# KiCad board main.kicad_pcb (continued)
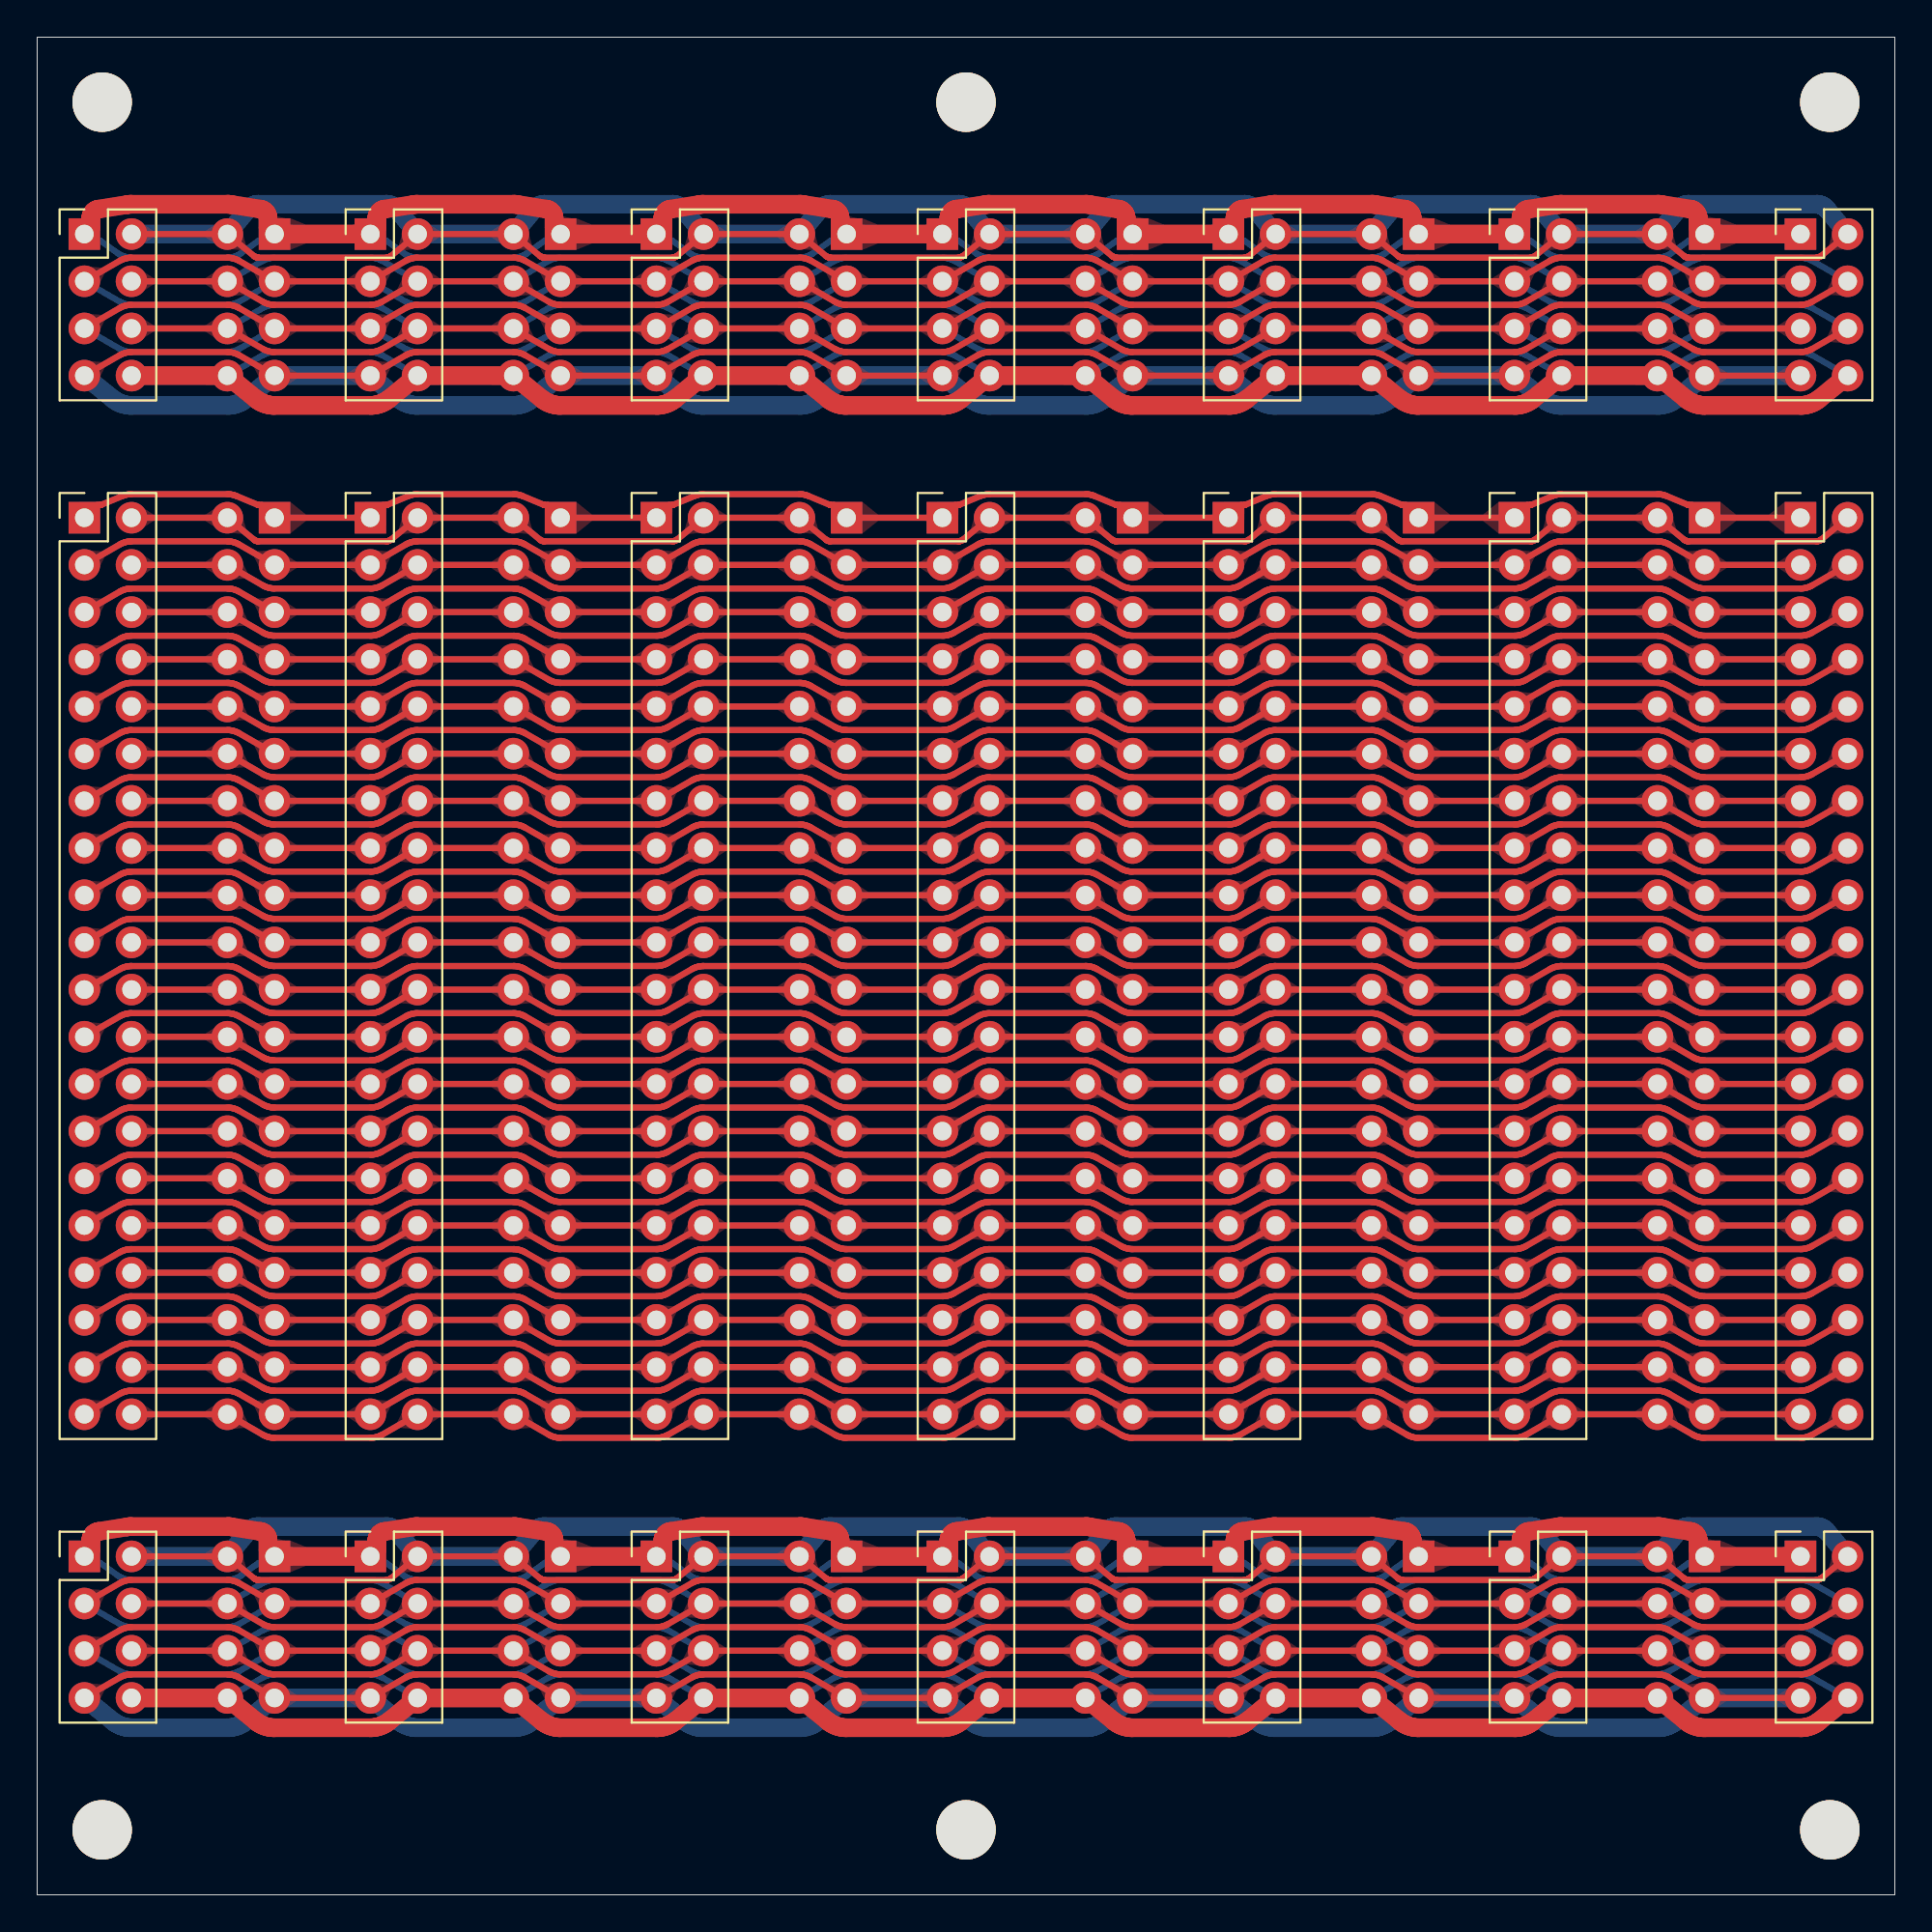
[diagram p0: board, top side]
## Routing (per net, layer and track width the routed paths; a pad name or vN(x,y) marks a point on that pad's centre or on a via; arc(x,y) is an arc through that point) (continued)
  Bottom w0.33: J2.3 4.45,85.76 4.5,85.73 4.55,85.71 4.61,85.68 4.66,85.66 4.72,85.64 4.78,85.63 4.84,85.61 4.9,85.6 4.96,85.6 5.02,85.59 5.08,85.59 10.24,85.59 10.3,85.59 10.36,85.6 10.42,85.6 10.48,85.61 10.54,85.63 10.6,85.64 10.65,85.66 10.71,85.68 10.77,85.71 10.82,85.73 10.87,85.76 J21.3 J6.3 19.84,85.76 19.9,85.73 19.95,85.71 20.01,85.68 20.06,85.66 20.12,85.64 20.18,85.63 20.24,85.61 20.3,85.6 20.36,85.6 20.42,85.59 20.48,85.59 25.63,85.59 25.7,85.59 25.76,85.6 25.82,85.6 25.88,85.61 25.93,85.63 25.99,85.64 26.05,85.66 26.11,85.68 26.16,85.71 26.22,85.73 26.27,85.76 J7.3 J5.3 35.24,85.76 35.29,85.73 35.35,85.71 35.4,85.68 35.46,85.66 35.52,85.64 35.57,85.63 35.63,85.61 35.69,85.6 35.75,85.6 35.81,85.59 35.87,85.59 41.03,85.59 41.09,85.59 41.15,85.6 41.21,85.6 41.27,85.61 41.33,85.63 41.39,85.64 41.45,85.66 41.5,85.68 41.56,85.71 41.61,85.73 41.67,85.76 J4.3 J8.3 50.64,85.76 50.69,85.73 50.74,85.71 50.8,85.68 50.85,85.66 50.91,85.64 50.97,85.63 51.03,85.61 51.09,85.6 51.15,85.6 51.21,85.59 51.27,85.59 56.43,85.59 56.49,85.59 56.55,85.6 56.61,85.6 56.67,85.61 56.73,85.63 56.79,85.64 56.84,85.66 56.9,85.68 56.96,85.71 57.01,85.73 57.06,85.76 J24.3 J22.3 66.03,85.76 66.09,85.73 66.14,85.71 66.2,85.68 66.25,85.66 66.31,85.64 66.37,85.63 66.43,85.61 66.49,85.6 66.55,85.6 66.61,85.59 66.67,85.59 71.83,85.59 71.89,85.59 71.95,85.6 72.01,85.6 72.07,85.61 72.12,85.63 72.18,85.64 72.24,85.66 72.3,85.68 72.35,85.71 72.41,85.73 72.46,85.76 J20.3 J23.3 81.43,85.76 81.48,85.73 81.54,85.71 81.59,85.68 81.65,85.66 81.71,85.64 81.76,85.63 81.82,85.61 81.88,85.6 81.94,85.6 82,85.59 82.06,85.59 87.22,85.59 87.28,85.59 87.34,85.6 87.4,85.6 87.46,85.61 87.52,85.63 87.58,85.64 87.64,85.66 87.69,85.68 87.75,85.71 87.8,85.73 87.86,85.76 J19.3 J37.3
+5V: length 192.5
  Top w0.33: J3.40 J26.40 12.14,24.77 12.2,24.74 12.25,24.72 12.31,24.69 12.36,24.67 12.42,24.65 12.48,24.64 12.54,24.62 12.6,24.61 12.66,24.61 12.72,24.6 12.78,24.6 17.94,24.6 18,24.6 18.06,24.61 18.12,24.61 18.18,24.62 18.24,24.64 18.29,24.65 18.35,24.67 18.41,24.69 18.46,24.72 18.52,24.74 18.57,24.77 J12.40 25.63,25.87 27.54,24.77 27.59,24.74 27.65,24.72 27.7,24.69 27.76,24.67 27.82,24.65 27.88,24.64 27.93,24.62 27.99,24.61 28.05,24.61 28.11,24.6 28.17,24.6 33.33,24.6 33.39,24.6 33.45,24.61 33.51,24.61 33.57,24.62 33.63,24.64 33.69,24.65 33.75,24.67 33.8,24.69 33.86,24.72 33.91,24.74 33.97,24.77 J13.40 J28.40 42.94,24.77 42.99,24.74 43.04,24.72 43.1,24.69 43.16,24.67 43.21,24.65 43.27,24.64 43.33,24.62 43.39,24.61 43.45,24.61 43.51,24.6 43.57,24.6 48.73,24.6 48.79,24.6 48.85,24.61 48.91,24.61 48.97,24.62 49.03,24.64 49.09,24.65 49.15,24.67 49.2,24.69 49.26,24.72 49.31,24.74 49.36,24.77 J11.40 J27.40 58.33,24.77 58.39,24.74 58.44,24.72 58.5,24.69 58.55,24.67 58.61,24.65 58.67,24.64 58.73,24.62 58.79,24.61 58.85,24.61 58.91,24.6 58.97,24.6 64.13,24.6 64.19,24.6 64.25,24.61 64.31,24.61 64.37,24.62 64.43,24.64 64.48,24.65 64.54,24.67 64.6,24.69 64.65,24.72 64.71,24.74 64.76,24.77 J25.40 J38.40 73.73,24.77 73.78,24.74 73.84,24.72 73.89,24.69 73.95,24.67 74.01,24.65 74.07,24.64 74.12,24.62 74.18,24.61 74.24,24.61 74.3,24.6 74.36,24.6 79.52,24.6 79.58,24.6 79.64,24.61 79.7,24.61 79.76,24.62 79.82,24.64 79.88,24.65 79.94,24.67 79.99,24.69 80.05,24.72 80.1,24.74 80.16,24.77 J30.40 J10.40 89.13,24.77 89.18,24.74 89.23,24.72 89.29,24.69 89.35,24.67 89.4,24.65 89.46,24.64 89.52,24.62 89.58,24.61 89.64,24.61 89.7,24.6 89.76,24.6 94.92,24.6 94.98,24.6 95.04,24.61 95.1,24.61 95.16,24.62 95.22,24.64 95.28,24.65 95.34,24.67 95.39,24.69 95.45,24.72 95.5,24.74 95.55,24.77 J29.40
  Bottom w0.33: J29.40 95.55,24.77 95.5,24.74 95.45,24.72 95.39,24.69 95.34,24.67 95.28,24.65 95.22,24.64 95.16,24.62 95.1,24.61 95.04,24.61 94.98,24.6 94.92,24.6 89.76,24.6 89.7,24.6 89.64,24.61 89.58,24.61 89.52,24.62 89.46,24.64 89.4,24.65 89.35,24.67 89.29,24.69 89.23,24.72 89.18,24.74 89.13,24.77 J10.40 J30.40 80.16,24.77 80.1,24.74 80.05,24.72 79.99,24.69 79.94,24.67 79.88,24.65 79.82,24.64 79.76,24.62 79.7,24.61 79.64,24.61 79.58,24.6 79.52,24.6 74.36,24.6 74.3,24.6 74.24,24.61 74.18,24.61 74.12,24.62 74.07,24.64 74.01,24.65 73.95,24.67 73.89,24.69 73.84,24.72 73.78,24.74 73.73,24.77 J38.40 J25.40 64.76,24.77 64.71,24.74 64.65,24.72 64.6,24.69 64.54,24.67 64.48,24.65 64.43,24.64 64.37,24.62 64.31,24.61 64.25,24.61 64.19,24.6 64.13,24.6 58.97,24.6 58.91,24.6 58.85,24.61 58.79,24.61 58.73,24.62 58.67,24.64 58.61,24.65 58.55,24.67 58.5,24.69 58.44,24.72 58.39,24.74 58.33,24.77 J27.40 J11.40 49.36,24.77 49.31,24.74 49.26,24.72 49.2,24.69 49.15,24.67 49.09,24.65 49.03,24.64 48.97,24.62 48.91,24.61 48.85,24.61 48.79,24.6 48.73,24.6 43.57,24.6 43.51,24.6 43.45,24.61 43.39,24.61 43.33,24.62 43.27,24.64 43.21,24.65 43.16,24.67 43.1,24.69 43.04,24.72 42.99,24.74 42.94,24.77 J28.40 J13.40 33.97,24.77 33.91,24.74 33.86,24.72 33.8,24.69 33.75,24.67 33.69,24.65 33.63,24.64 33.57,24.62 33.51,24.61 33.45,24.61 33.39,24.6 33.33,24.6 28.17,24.6 28.11,24.6 28.05,24.61 27.99,24.61 27.93,24.62 27.88,24.64 27.82,24.65 27.76,24.67 27.7,24.69 27.65,24.72 27.59,24.74 27.54,24.77 25.63,25.87 J12.40 18.57,24.77 18.52,24.74 18.46,24.72 18.41,24.69 18.35,24.67 18.29,24.65 18.24,24.64 18.18,24.62 18.12,24.61 18.06,24.61 18,24.6 17.94,24.6 12.78,24.6 12.72,24.6 12.66,24.61 12.6,24.61 12.54,24.62 12.48,24.64 12.42,24.65 12.36,24.67 12.31,24.69 12.25,24.72 12.2,24.74 12.14,24.77 J26.40 J3.40
GND: length 192.5
  Top w0.33: J3.7 4.45,67.61 4.5,67.64 4.55,67.66 4.61,67.69 4.66,67.71 4.72,67.73 4.78,67.74 4.84,67.76 4.9,67.77 4.96,67.77 5.02,67.78 5.08,67.78 10.24,67.78 10.3,67.78 10.36,67.77 10.42,67.77 10.48,67.76 10.54,67.74 10.6,67.73 10.65,67.71 10.71,67.69 10.77,67.66 10.82,67.64 10.87,67.61 J26.7 J12.7 19.84,67.61 19.9,67.64 19.95,67.66 20.01,67.69 20.06,67.71 20.12,67.73 20.18,67.74 20.24,67.76 20.3,67.77 20.36,67.77 20.42,67.78 20.48,67.78 25.63,67.78 25.7,67.78 25.76,67.77 25.82,67.77 25.88,67.76 25.93,67.74 25.99,67.73 26.05,67.71 26.11,67.69 26.16,67.66 26.22,67.64 26.27,67.61 J9.7 J13.7 35.24,67.61 35.29,67.64 35.35,67.66 35.4,67.69 35.46,67.71 35.52,67.73 35.57,67.74 35.63,67.76 35.69,67.77 35.75,67.77 35.81,67.78 35.87,67.78 41.03,67.78 41.09,67.78 41.15,67.77 41.21,67.77 41.27,67.76 41.33,67.74 41.39,67.73 41.45,67.71 41.5,67.69 41.56,67.66 41.61,67.64 41.67,67.61 J28.7 J11.7 50.64,67.61 50.69,67.64 50.74,67.66 50.8,67.69 50.85,67.71 50.91,67.73 50.97,67.74 51.03,67.76 51.09,67.77 51.15,67.77 51.21,67.78 51.27,67.78 56.43,67.78 56.49,67.78 56.55,67.77 56.61,67.77 56.67,67.76 56.73,67.74 56.79,67.73 56.84,67.71 56.9,67.69 56.96,67.66 57.01,67.64 57.06,67.61 J27.7 J25.7 66.03,67.61 66.09,67.64 66.14,67.66 66.2,67.69 66.25,67.71 66.31,67.73 66.37,67.74 66.43,67.76 66.49,67.77 66.55,67.77 66.61,67.78 66.67,67.78 71.83,67.78 71.89,67.78 71.95,67.77 72.01,67.77 72.07,67.76 72.12,67.74 72.18,67.73 72.24,67.71 72.3,67.69 72.35,67.66 72.41,67.64 72.46,67.61 J38.7 J30.7 81.43,67.61 81.48,67.64 81.54,67.66 81.59,67.69 81.65,67.71 81.71,67.73 81.76,67.74 81.82,67.76 81.88,67.77 81.94,67.77 82,67.78 82.06,67.78 87.22,67.78 87.28,67.78 87.34,67.77 87.4,67.77 87.46,67.76 87.52,67.74 87.58,67.73 87.64,67.71 87.69,67.69 87.75,67.66 87.8,67.64 87.86,67.61 J10.7 J29.7
  Bottom w0.33: J3.7 4.45,67.61 4.5,67.64 4.55,67.66 4.61,67.69 4.66,67.71 4.72,67.73 4.78,67.74 4.84,67.76 4.9,67.77 4.96,67.77 5.02,67.78 5.08,67.78 10.24,67.78 10.3,67.78 10.36,67.77 10.42,67.77 10.48,67.76 10.54,67.74 10.6,67.73 10.65,67.71 10.71,67.69 10.77,67.66 10.82,67.64 10.87,67.61 J26.7 J12.7 19.84,67.61 19.9,67.64 19.95,67.66 20.01,67.69 20.06,67.71 20.12,67.73 20.18,67.74 20.24,67.76 20.3,67.77 20.36,67.77 20.42,67.78 20.48,67.78 25.63,67.78 25.7,67.78 25.76,67.77 25.82,67.77 25.88,67.76 25.93,67.74 25.99,67.73 26.05,67.71 26.11,67.69 26.16,67.66 26.22,67.64 26.27,67.61 J9.7 J13.7 35.24,67.61 35.29,67.64 35.35,67.66 35.4,67.69 35.46,67.71 35.52,67.73 35.57,67.74 35.63,67.76 35.69,67.77 35.75,67.77 35.81,67.78 35.87,67.78 41.03,67.78 41.09,67.78 41.15,67.77 41.21,67.77 41.27,67.76 41.33,67.74 41.39,67.73 41.45,67.71 41.5,67.69 41.56,67.66 41.61,67.64 41.67,67.61 J28.7 J11.7 50.64,67.61 50.69,67.64 50.74,67.66 50.8,67.69 50.85,67.71 50.91,67.73 50.97,67.74 51.03,67.76 51.09,67.77 51.15,67.77 51.21,67.78 51.27,67.78 56.43,67.78 56.49,67.78 56.55,67.77 56.61,67.77 56.67,67.76 56.73,67.74 56.79,67.73 56.84,67.71 56.9,67.69 56.96,67.66 57.01,67.64 57.06,67.61 J27.7 J25.7 66.03,67.61 66.09,67.64 66.14,67.66 66.2,67.69 66.25,67.71 66.31,67.73 66.37,67.74 66.43,67.76 66.49,67.77 66.55,67.77 66.61,67.78 66.67,67.78 71.83,67.78 71.89,67.78 71.95,67.77 72.01,67.77 72.07,67.76 72.12,67.74 72.18,67.73 72.24,67.71 72.3,67.69 72.35,67.66 72.41,67.64 72.46,67.61 J38.7 J30.7 81.43,67.61 81.48,67.64 81.54,67.66 81.59,67.69 81.65,67.71 81.71,67.73 81.76,67.74 81.82,67.76 81.88,67.77 81.94,67.77 82,67.78 82.06,67.78 87.22,67.78 87.28,67.78 87.34,67.77 87.4,67.77 87.46,67.76 87.52,67.74 87.58,67.73 87.64,67.71 87.69,67.69 87.75,67.66 87.8,67.64 87.86,67.61 J10.7 J29.7
GND2: length 192.5
  Top w0.33: J3.30 J26.30 12.14,37.47 12.2,37.44 12.25,37.42 12.31,37.39 12.36,37.37 12.42,37.35 12.48,37.34 12.54,37.32 12.6,37.31 12.66,37.31 12.72,37.3 12.78,37.3 17.94,37.3 18,37.3 18.06,37.31 18.12,37.31 18.18,37.32 18.24,37.34 18.29,37.35 18.35,37.37 18.41,37.39 18.46,37.42 18.52,37.44 18.57,37.47 J12.30 25.63,38.57 27.54,37.47 27.59,37.44 27.65,37.42 27.7,37.39 27.76,37.37 27.82,37.35 27.88,37.34 27.93,37.32 27.99,37.31 28.05,37.31 28.11,37.3 28.17,37.3 33.33,37.3 33.39,37.3 33.45,37.31 33.51,37.31 33.57,37.32 33.63,37.34 33.69,37.35 33.75,37.37 33.8,37.39 33.86,37.42 33.91,37.44 33.97,37.47 J13.30 J28.30 42.94,37.47 42.99,37.44 43.04,37.42 43.1,37.39 43.16,37.37 43.21,37.35 43.27,37.34 43.33,37.32 43.39,37.31 43.45,37.31 43.51,37.3 43.57,37.3 48.73,37.3 48.79,37.3 48.85,37.31 48.91,37.31 48.97,37.32 49.03,37.34 49.09,37.35 49.15,37.37 49.2,37.39 49.26,37.42 49.31,37.44 49.36,37.47 J11.30 J27.30 58.33,37.47 58.39,37.44 58.44,37.42 58.5,37.39 58.55,37.37 58.61,37.35 58.67,37.34 58.73,37.32 58.79,37.31 58.85,37.31 58.91,37.3 58.97,37.3 64.13,37.3 64.19,37.3 64.25,37.31 64.31,37.31 64.37,37.32 64.43,37.34 64.48,37.35 64.54,37.37 64.6,37.39 64.65,37.42 64.71,37.44 64.76,37.47 J25.30 J38.30 73.73,37.47 73.78,37.44 73.84,37.42 73.89,37.39 73.95,37.37 74.01,37.35 74.07,37.34 74.12,37.32 74.18,37.31 74.24,37.31 74.3,37.3 74.36,37.3 79.52,37.3 79.58,37.3 79.64,37.31 79.7,37.31 79.76,37.32 79.82,37.34 79.88,37.35 79.94,37.37 79.99,37.39 80.05,37.42 80.1,37.44 80.16,37.47 J30.30 J10.30 89.13,37.47 89.18,37.44 89.23,37.42 89.29,37.39 89.35,37.37 89.4,37.35 89.46,37.34 89.52,37.32 89.58,37.31 89.64,37.31 89.7,37.3 89.76,37.3 94.92,37.3 94.98,37.3 95.04,37.31 95.1,37.31 95.16,37.32 95.22,37.34 95.28,37.35 95.34,37.37 95.39,37.39 95.45,37.42 95.5,37.44 95.55,37.47 J29.30
  Bottom w0.33: J3.30 J26.30 12.14,37.47 12.2,37.44 12.25,37.42 12.31,37.39 12.36,37.37 12.42,37.35 12.48,37.34 12.54,37.32 12.6,37.31 12.66,37.31 12.72,37.3 12.78,37.3 17.94,37.3 18,37.3 18.06,37.31 18.12,37.31 18.18,37.32 18.24,37.34 18.29,37.35 18.35,37.37 18.41,37.39 18.46,37.42 18.52,37.44 18.57,37.47 J12.30 25.63,38.57 27.54,37.47 27.59,37.44 27.65,37.42 27.7,37.39 27.76,37.37 27.82,37.35 27.88,37.34 27.93,37.32 27.99,37.31 28.05,37.31 28.11,37.3 28.17,37.3 33.33,37.3 33.39,37.3 33.45,37.31 33.51,37.31 33.57,37.32 33.63,37.34 33.69,37.35 33.75,37.37 33.8,37.39 33.86,37.42 33.91,37.44 33.97,37.47 J13.30 J28.30 42.94,37.47 42.99,37.44 43.04,37.42 43.1,37.39 43.16,37.37 43.21,37.35 43.27,37.34 43.33,37.32 43.39,37.31 43.45,37.31 43.51,37.3 43.57,37.3 48.73,37.3 48.79,37.3 48.85,37.31 48.91,37.31 48.97,37.32 49.03,37.34 49.09,37.35 49.15,37.37 49.2,37.39 49.26,37.42 49.31,37.44 49.36,37.47 J11.30 J27.30 58.33,37.47 58.39,37.44 58.44,37.42 58.5,37.39 58.55,37.37 58.61,37.35 58.67,37.34 58.73,37.32 58.79,37.31 58.85,37.31 58.91,37.3 58.97,37.3 64.13,37.3 64.19,37.3 64.25,37.31 64.31,37.31 64.37,37.32 64.43,37.34 64.48,37.35 64.54,37.37 64.6,37.39 64.65,37.42 64.71,37.44 64.76,37.47 J25.30 J38.30 73.73,37.47 73.78,37.44 73.84,37.42 73.89,37.39 73.95,37.37 74.01,37.35 74.07,37.34 74.12,37.32 74.18,37.31 74.24,37.31 74.3,37.3 74.36,37.3 79.52,37.3 79.58,37.3 79.64,37.31 79.7,37.31 79.76,37.32 79.82,37.34 79.88,37.35 79.94,37.37 79.99,37.39 80.05,37.42 80.1,37.44 80.16,37.47 J30.30 J10.30 89.13,37.47 89.18,37.44 89.23,37.42 89.29,37.39 89.35,37.37 89.4,37.35 89.46,37.34 89.52,37.32 89.58,37.31 89.64,37.31 89.7,37.3 89.76,37.3 94.92,37.3 94.98,37.3 95.04,37.31 95.1,37.31 95.16,37.32 95.22,37.34 95.28,37.35 95.34,37.37 95.39,37.39 95.45,37.42 95.5,37.44 95.55,37.47 J29.30
GND3: length 192.5
  Top w0.33: J3.38 J26.38 12.14,27.31 12.2,27.28 12.25,27.26 12.31,27.23 12.36,27.21 12.42,27.19 12.48,27.18 12.54,27.16 12.6,27.15 12.66,27.15 12.72,27.14 12.78,27.14 17.94,27.14 18,27.14 18.06,27.15 18.12,27.15 18.18,27.16 18.24,27.18 18.29,27.19 18.35,27.21 18.41,27.23 18.46,27.26 18.52,27.28 18.57,27.31 J12.38 25.63,28.41 27.54,27.31 27.59,27.28 27.65,27.26 27.7,27.23 27.76,27.21 27.82,27.19 27.88,27.18 27.93,27.16 27.99,27.15 28.05,27.15 28.11,27.14 28.17,27.14 33.33,27.14 33.39,27.14 33.45,27.15 33.51,27.15 33.57,27.16 33.63,27.18 33.69,27.19 33.75,27.21 33.8,27.23 33.86,27.26 33.91,27.28 33.97,27.31 J13.38 J28.38 42.94,27.31 42.99,27.28 43.04,27.26 43.1,27.23 43.16,27.21 43.21,27.19 43.27,27.18 43.33,27.16 43.39,27.15 43.45,27.15 43.51,27.14 43.57,27.14 48.73,27.14 48.79,27.14 48.85,27.15 48.91,27.15 48.97,27.16 49.03,27.18 49.09,27.19 49.15,27.21 49.2,27.23 49.26,27.26 49.31,27.28 49.36,27.31 J11.38 J27.38 58.33,27.31 58.39,27.28 58.44,27.26 58.5,27.23 58.55,27.21 58.61,27.19 58.67,27.18 58.73,27.16 58.79,27.15 58.85,27.15 58.91,27.14 58.97,27.14 64.13,27.14 64.19,27.14 64.25,27.15 64.31,27.15 64.37,27.16 64.43,27.18 64.48,27.19 64.54,27.21 64.6,27.23 64.65,27.26 64.71,27.28 64.76,27.31 J25.38 J38.38 73.73,27.31 73.78,27.28 73.84,27.26 73.89,27.23 73.95,27.21 74.01,27.19 74.07,27.18 74.12,27.16 74.18,27.15 74.24,27.15 74.3,27.14 74.36,27.14 79.52,27.14 79.58,27.14 79.64,27.15 79.7,27.15 79.76,27.16 79.82,27.18 79.88,27.19 79.94,27.21 79.99,27.23 80.05,27.26 80.1,27.28 80.16,27.31 J30.38 J10.38 89.13,27.31 89.18,27.28 89.23,27.26 89.29,27.23 89.35,27.21 89.4,27.19 89.46,27.18 89.52,27.16 89.58,27.15 89.64,27.15 89.7,27.14 89.76,27.14 94.92,27.14 94.98,27.14 95.04,27.15 95.1,27.15 95.16,27.16 95.22,27.18 95.28,27.19 95.34,27.21 95.39,27.23 95.45,27.26 95.5,27.28 95.55,27.31 J29.38
  Bottom w0.33: J29.38 95.55,27.31 95.5,27.28 95.45,27.26 95.39,27.23 95.34,27.21 95.28,27.19 95.22,27.18 95.16,27.16 95.1,27.15 95.04,27.15 94.98,27.14 94.92,27.14 89.76,27.14 89.7,27.14 89.64,27.15 89.58,27.15 89.52,27.16 89.46,27.18 89.4,27.19 89.35,27.21 89.29,27.23 89.23,27.26 89.18,27.28 89.13,27.31 J10.38 J30.38 80.16,27.31 80.1,27.28 80.05,27.26 79.99,27.23 79.94,27.21 79.88,27.19 79.82,27.18 79.76,27.16 79.7,27.15 79.64,27.15 79.58,27.14 79.52,27.14 74.36,27.14 74.3,27.14 74.24,27.15 74.18,27.15 74.12,27.16 74.07,27.18 74.01,27.19 73.95,27.21 73.89,27.23 73.84,27.26 73.78,27.28 73.73,27.31 J38.38 J25.38 64.76,27.31 64.71,27.28 64.65,27.26 64.6,27.23 64.54,27.21 64.48,27.19 64.43,27.18 64.37,27.16 64.31,27.15 64.25,27.15 64.19,27.14 64.13,27.14 58.97,27.14 58.91,27.14 58.85,27.15 58.79,27.15 58.73,27.16 58.67,27.18 58.61,27.19 58.55,27.21 58.5,27.23 58.44,27.26 58.39,27.28 58.33,27.31 J27.38 J11.38 49.36,27.31 49.31,27.28 49.26,27.26 49.2,27.23 49.15,27.21 49.09,27.19 49.03,27.18 48.97,27.16 48.91,27.15 48.85,27.15 48.79,27.14 48.73,27.14 43.57,27.14 43.51,27.14 43.45,27.15 43.39,27.15 43.33,27.16 43.27,27.18 43.21,27.19 43.16,27.21 43.1,27.23 43.04,27.26 42.99,27.28 42.94,27.31 J28.38 J13.38 33.97,27.31 33.91,27.28 33.86,27.26 33.8,27.23 33.75,27.21 33.69,27.19 33.63,27.18 33.57,27.16 33.51,27.15 33.45,27.15 33.39,27.14 33.33,27.14 28.17,27.14 28.11,27.14 28.05,27.15 27.99,27.15 27.93,27.16 27.88,27.18 27.82,27.19 27.76,27.21 27.7,27.23 27.65,27.26 27.59,27.28 27.54,27.31 25.63,28.41 J12.38 18.57,27.31 18.52,27.28 18.46,27.26 18.41,27.23 18.35,27.21 18.29,27.19 18.24,27.18 18.18,27.16 18.12,27.15 18.06,27.15 18,27.14 17.94,27.14 12.78,27.14 12.72,27.14 12.66,27.15 12.6,27.15 12.54,27.16 12.48,27.18 12.42,27.19 12.36,27.21 12.31,27.23 12.25,27.26 12.2,27.28 12.14,27.31 J26.38 J3.38
GND4: length 198.6
  Top w0.33: J2.2 J21.2 11.66,88.23 11.68,88.21 11.69,88.2 11.71,88.19 11.73,88.18 11.75,88.17 11.77,88.16 11.79,88.16 11.81,88.15 11.83,88.14 11.85,88.14 11.87,88.14 11.89,88.13 11.91,88.13 11.93,88.13 18.79,88.13 18.81,88.13 18.83,88.13 18.85,88.14 18.87,88.14 18.89,88.14 18.91,88.15 18.93,88.16 18.95,88.16 18.97,88.17 18.99,88.18 19,88.19 19.02,88.2 19.04,88.21 19.05,88.23 J6.2 J7.2 27.06,88.23 27.07,88.21 27.09,88.2 27.11,88.19 27.13,88.18 27.15,88.17 27.16,88.16 27.18,88.16 27.2,88.15 27.22,88.14 27.24,88.14 27.26,88.14 27.28,88.13 27.3,88.13 27.33,88.13 34.18,88.13 34.2,88.13 34.22,88.13 34.25,88.14 34.27,88.14 34.29,88.14 34.31,88.15 34.33,88.16 34.34,88.16 34.36,88.17 34.38,88.18 34.4,88.19 34.42,88.2 34.43,88.21 34.45,88.23 J5.2 J4.2 42.45,88.23 42.47,88.21 42.49,88.2 42.51,88.19 42.52,88.18 42.54,88.17 42.56,88.16 42.58,88.16 42.6,88.15 42.62,88.14 42.64,88.14 42.66,88.14 42.68,88.13 42.7,88.13 42.72,88.13 49.58,88.13 49.6,88.13 49.62,88.13 49.64,88.14 49.66,88.14 49.68,88.14 49.7,88.15 49.72,88.16 49.74,88.16 49.76,88.17 49.78,88.18 49.8,88.19 49.81,88.2 49.83,88.21 49.85,88.23 J8.2 J24.2 57.85,88.23 57.87,88.21 57.88,88.2 57.9,88.19 57.92,88.18 57.94,88.17 57.96,88.16 57.98,88.16 58,88.15 58.02,88.14 58.04,88.14 58.06,88.14 58.08,88.13 58.1,88.13 58.12,88.13 64.98,88.13 65,88.13 65.02,88.13 65.04,88.14 65.06,88.14 65.08,88.14 65.1,88.15 65.12,88.16 65.14,88.16 65.16,88.17 65.18,88.18 65.19,88.19 65.21,88.2 65.23,88.21 65.24,88.23 J22.2 J20.2 73.25,88.23 73.26,88.21 73.28,88.2 73.3,88.19 73.32,88.18 73.34,88.17 73.35,88.16 73.37,88.16 73.39,88.15 73.41,88.14 73.43,88.14 73.45,88.14 73.47,88.13 73.49,88.13 73.52,88.13 80.37,88.13 80.39,88.13 80.41,88.13 80.44,88.14 80.46,88.14 80.48,88.14 80.5,88.15 80.52,88.16 80.53,88.16 80.55,88.17 80.57,88.18 80.59,88.19 80.61,88.2 80.62,88.21 80.64,88.23 J23.2 J19.2 88.64,88.23 88.66,88.21 88.68,88.2 88.7,88.19 88.71,88.18 88.73,88.17 88.75,88.16 88.77,88.16 88.79,88.15 88.81,88.14 88.83,88.14 88.85,88.14 88.87,88.13 88.89,88.13 88.91,88.13 95.77,88.13 95.79,88.13 95.81,88.13 95.83,88.14 95.85,88.14 95.87,88.14 95.89,88.15 95.91,88.16 95.93,88.16 95.95,88.17 95.97,88.18 95.99,88.19 96,88.2 96.02,88.21 96.04,88.23 J37.2
  Bottom w1: J37.2 96.35,90.73 96.32,90.76 96.3,90.79 96.27,90.82 96.24,90.84 96.21,90.86 96.18,90.89 96.14,90.91 96.11,90.92 96.07,90.94 96.04,90.96 96,90.97 95.96,90.98 95.92,90.99 95.89,91 95.85,91 95.81,91 95.77,91 88.91,91 88.87,91 88.83,91 88.8,91 88.76,90.99 88.72,90.98 88.68,90.97 88.65,90.96 88.61,90.94 88.57,90.92 88.54,90.91 88.51,90.89 88.47,90.86 88.44,90.84 88.41,90.82 88.38,90.79 88.36,90.76 88.33,90.73 J19.2 J23.2 80.95,90.73 80.93,90.76 80.9,90.79 80.87,90.82 80.84,90.84 80.81,90.86 80.78,90.89 80.75,90.91 80.71,90.92 80.68,90.94 80.64,90.96 80.6,90.97 80.57,90.98 80.53,90.99 80.49,91 80.45,91 80.41,91 80.37,91 73.52,91 73.48,91 73.44,91 73.4,91 73.36,90.99 73.32,90.98 73.29,90.97 73.25,90.96 73.21,90.94 73.18,90.92 73.14,90.91 73.11,90.89 73.08,90.86 73.05,90.84 73.02,90.82 72.99,90.79 72.96,90.76 72.94,90.73 J20.2 J22.2 65.56,90.73 65.53,90.76 65.5,90.79 65.48,90.82 65.45,90.84 65.41,90.86 65.38,90.89 65.35,90.91 65.31,90.92 65.28,90.94 65.24,90.96 65.21,90.97 65.17,90.98 65.13,90.99 65.09,91 65.05,91 65.02,91 64.98,91 58.12,91 58.08,91 58.04,91 58,91 57.96,90.99 57.93,90.98 57.89,90.97 57.85,90.96 57.82,90.94 57.78,90.92 57.75,90.91 57.71,90.89 57.68,90.86 57.65,90.84 57.62,90.82 57.59,90.79 57.56,90.76 57.54,90.73 J24.2 J8.2 50.16,90.73 50.13,90.76 50.11,90.79 50.08,90.82 50.05,90.84 50.02,90.86 49.99,90.89 49.95,90.91 49.92,90.92 49.88,90.94 49.85,90.96 49.81,90.97 49.77,90.98 49.73,90.99 49.7,91 49.66,91 49.62,91 49.58,91 42.72,91 42.68,91 42.64,91 42.61,91 42.57,90.99 42.53,90.98 42.49,90.97 42.46,90.96 42.42,90.94 42.38,90.92 42.35,90.91 42.32,90.89 42.28,90.86 42.25,90.84 42.22,90.82 42.19,90.79 42.17,90.76 42.14,90.73 J4.2 J5.2 34.76,90.73 34.74,90.76 34.71,90.79 34.68,90.82 34.65,90.84 34.62,90.86 34.59,90.89 34.56,90.91 34.52,90.92 34.49,90.94 34.45,90.96 34.41,90.97 34.38,90.98 34.34,90.99 34.3,91 34.26,91 34.22,91 34.18,91 27.33,91 27.29,91 27.25,91 27.21,91 27.17,90.99 27.13,90.98 27.1,90.97 27.06,90.96 27.02,90.94 26.99,90.92 26.95,90.91 26.92,90.89 26.89,90.86 26.86,90.84 26.83,90.82 26.8,90.79 26.77,90.76 26.75,90.73 J7.2 J6.2 19.37,90.73 19.34,90.76 19.31,90.79 19.29,90.82 19.26,90.84 19.22,90.86 19.19,90.89 19.16,90.91 19.12,90.92 19.09,90.94 19.05,90.96 19.02,90.97 18.98,90.98 18.94,90.99 18.9,91 18.86,91 18.83,91 18.79,91 11.93,91 11.89,91 11.85,91 11.81,91 11.77,90.99 11.74,90.98 11.7,90.97 11.66,90.96 11.63,90.94 11.59,90.92 11.56,90.91 11.52,90.89 11.49,90.86 11.46,90.84 11.43,90.82 11.4,90.79 11.37,90.76 11.35,90.73 J21.2 J2.2
GND5: length 192.5
  Top w0.33: J37.4 95.55,85.76 95.5,85.73 95.45,85.71 95.39,85.68 95.34,85.66 95.28,85.64 95.22,85.63 95.16,85.61 95.1,85.6 95.04,85.6 94.98,85.59 94.92,85.59 89.76,85.59 89.7,85.59 89.64,85.6 89.58,85.6 89.52,85.61 89.46,85.63 89.4,85.64 89.35,85.66 89.29,85.68 89.23,85.71 89.18,85.73 89.13,85.76 J19.4 J23.4 80.16,85.76 80.1,85.73 80.05,85.71 79.99,85.68 79.94,85.66 79.88,85.64 79.82,85.63 79.76,85.61 79.7,85.6 79.64,85.6 79.58,85.59 79.52,85.59 74.36,85.59 74.3,85.59 74.24,85.6 74.18,85.6 74.12,85.61 74.07,85.63 74.01,85.64 73.95,85.66 73.89,85.68 73.84,85.71 73.78,85.73 73.73,85.76 J20.4 J22.4 64.76,85.76 64.71,85.73 64.65,85.71 64.6,85.68 64.54,85.66 64.48,85.64 64.43,85.63 64.37,85.61 64.31,85.6 64.25,85.6 64.19,85.59 64.13,85.59 58.97,85.59 58.91,85.59 58.85,85.6 58.79,85.6 58.73,85.61 58.67,85.63 58.61,85.64 58.55,85.66 58.5,85.68 58.44,85.71 58.39,85.73 58.33,85.76 J24.4 J8.4 49.36,85.76 49.31,85.73 49.26,85.71 49.2,85.68 49.15,85.66 49.09,85.64 49.03,85.63 48.97,85.61 48.91,85.6 48.85,85.6 48.79,85.59 48.73,85.59 43.57,85.59 43.51,85.59 43.45,85.6 43.39,85.6 43.33,85.61 43.27,85.63 43.21,85.64 43.16,85.66 43.1,85.68 43.04,85.71 42.99,85.73 42.94,85.76 J4.4 J5.4 33.97,85.76 33.91,85.73 33.86,85.71 33.8,85.68 33.75,85.66 33.69,85.64 33.63,85.63 33.57,85.61 33.51,85.6 33.45,85.6 33.39,85.59 33.33,85.59 28.17,85.59 28.11,85.59 28.05,85.6 27.99,85.6 27.93,85.61 27.88,85.63 27.82,85.64 27.76,85.66 27.7,85.68 27.65,85.71 27.59,85.73 27.54,85.76 J7.4 J6.4 18.57,85.76 18.52,85.73 18.46,85.71 18.41,85.68 18.35,85.66 18.29,85.64 18.24,85.63 18.18,85.61 18.12,85.6 18.06,85.6 18,85.59 17.94,85.59 12.78,85.59 12.72,85.59 12.66,85.6 12.6,85.6 12.54,85.61 12.48,85.63 12.42,85.64 12.36,85.66 12.31,85.68 12.25,85.71 12.2,85.73 12.14,85.76 J21.4 J2.4
  Bottom w0.33: J37.4 95.55,87.96 95.5,87.99 95.45,88.01 95.39,88.04 95.34,88.06 95.28,88.08 95.22,88.09 95.16,88.11 95.1,88.12 95.04,88.12 94.98,88.13 94.92,88.13 89.76,88.13 89.7,88.13 89.64,88.12 89.58,88.12 89.52,88.11 89.46,88.09 89.4,88.08 89.35,88.06 89.29,88.04 89.23,88.01 89.18,87.99 89.13,87.96 J19.4 J23.4 80.16,87.96 80.1,87.99 80.05,88.01 79.99,88.04 79.94,88.06 79.88,88.08 79.82,88.09 79.76,88.11 79.7,88.12 79.64,88.12 79.58,88.13 79.52,88.13 74.36,88.13 74.3,88.13 74.24,88.12 74.18,88.12 74.12,88.11 74.07,88.09 74.01,88.08 73.95,88.06 73.89,88.04 73.84,88.01 73.78,87.99 73.73,87.96 J20.4 J22.4 64.76,87.96 64.71,87.99 64.65,88.01 64.6,88.04 64.54,88.06 64.48,88.08 64.43,88.09 64.37,88.11 64.31,88.12 64.25,88.12 64.19,88.13 64.13,88.13 58.97,88.13 58.91,88.13 58.85,88.12 58.79,88.12 58.73,88.11 58.67,88.09 58.61,88.08 58.55,88.06 58.5,88.04 58.44,88.01 58.39,87.99 58.33,87.96 J24.4 J8.4 49.36,87.96 49.31,87.99 49.26,88.01 49.2,88.04 49.15,88.06 49.09,88.08 49.03,88.09 48.97,88.11 48.91,88.12 48.85,88.12 48.79,88.13 48.73,88.13 43.57,88.13 43.51,88.13 43.45,88.12 43.39,88.12 43.33,88.11 43.27,88.09 43.21,88.08 43.16,88.06 43.1,88.04 43.04,88.01 42.99,87.99 42.94,87.96 J4.4 J5.4 33.97,87.96 33.91,87.99 33.86,88.01 33.8,88.04 33.75,88.06 33.69,88.08 33.63,88.09 33.57,88.11 33.51,88.12 33.45,88.12 33.39,88.13 33.33,88.13 28.17,88.13 28.11,88.13 28.05,88.12 27.99,88.12 27.93,88.11 27.88,88.09 27.82,88.08 27.76,88.06 27.7,88.04 27.65,88.01 27.59,87.99 27.54,87.96 J7.4 J6.4 18.57,87.96 18.52,87.99 18.46,88.01 18.41,88.04 18.35,88.06 18.29,88.08 18.24,88.09 18.18,88.11 18.12,88.12 18.06,88.12 18,88.13 17.94,88.13 12.78,88.13 12.72,88.13 12.66,88.12 12.6,88.12 12.54,88.11 12.48,88.09 12.42,88.08 12.36,88.06 12.31,88.04 12.25,88.01 12.2,87.99 12.14,87.96 J21.4 J2.4
GND6: length 192.5
  Top w0.33: J37.6 95.55,83.22 95.5,83.19 95.45,83.17 95.39,83.14 95.34,83.12 95.28,83.1 95.22,83.09 95.16,83.07 95.1,83.06 95.04,83.06 94.98,83.05 94.92,83.05 89.76,83.05 89.7,83.05 89.64,83.06 89.58,83.06 89.52,83.07 89.46,83.09 89.4,83.1 89.35,83.12 89.29,83.14 89.23,83.17 89.18,83.19 89.13,83.22 J19.6 J23.6 80.16,83.22 80.1,83.19 80.05,83.17 79.99,83.14 79.94,83.12 79.88,83.1 79.82,83.09 79.76,83.07 79.7,83.06 79.64,83.06 79.58,83.05 79.52,83.05 74.36,83.05 74.3,83.05 74.24,83.06 74.18,83.06 74.12,83.07 74.07,83.09 74.01,83.1 73.95,83.12 73.89,83.14 73.84,83.17 73.78,83.19 73.73,83.22 J20.6 J22.6 64.76,83.22 64.71,83.19 64.65,83.17 64.6,83.14 64.54,83.12 64.48,83.1 64.43,83.09 64.37,83.07 64.31,83.06 64.25,83.06 64.19,83.05 64.13,83.05 58.97,83.05 58.91,83.05 58.85,83.06 58.79,83.06 58.73,83.07 58.67,83.09 58.61,83.1 58.55,83.12 58.5,83.14 58.44,83.17 58.39,83.19 58.33,83.22 J24.6 J8.6 49.36,83.22 49.31,83.19 49.26,83.17 49.2,83.14 49.15,83.12 49.09,83.1 49.03,83.09 48.97,83.07 48.91,83.06 48.85,83.06 48.79,83.05 48.73,83.05 43.57,83.05 43.51,83.05 43.45,83.06 43.39,83.06 43.33,83.07 43.27,83.09 43.21,83.1 43.16,83.12 43.1,83.14 43.04,83.17 42.99,83.19 42.94,83.22 J4.6 J5.6 33.97,83.22 33.91,83.19 33.86,83.17 33.8,83.14 33.75,83.12 33.69,83.1 33.63,83.09 33.57,83.07 33.51,83.06 33.45,83.06 33.39,83.05 33.33,83.05 28.17,83.05 28.11,83.05 28.05,83.06 27.99,83.06 27.93,83.07 27.88,83.09 27.82,83.1 27.76,83.12 27.7,83.14 27.65,83.17 27.59,83.19 27.54,83.22 J7.6 J6.6 18.57,83.22 18.52,83.19 18.46,83.17 18.41,83.14 18.35,83.12 18.29,83.1 18.24,83.09 18.18,83.07 18.12,83.06 18.06,83.06 18,83.05 17.94,83.05 12.78,83.05 12.72,83.05 12.66,83.06 12.6,83.06 12.54,83.07 12.48,83.09 12.42,83.1 12.36,83.12 12.31,83.14 12.25,83.17 12.2,83.19 12.14,83.22 J21.6 J2.6
  Bottom w0.33: J37.6 95.55,85.42 95.5,85.45 95.45,85.47 95.39,85.5 95.34,85.52 95.28,85.54 95.22,85.55 95.16,85.57 95.1,85.58 95.04,85.58 94.98,85.59 94.92,85.59 89.76,85.59 89.7,85.59 89.64,85.58 89.58,85.58 89.52,85.57 89.46,85.55 89.4,85.54 89.35,85.52 89.29,85.5 89.23,85.47 89.18,85.45 89.13,85.42 J19.6 J23.6 80.16,85.42 80.1,85.45 80.05,85.47 79.99,85.5 79.94,85.52 79.88,85.54 79.82,85.55 79.76,85.57 79.7,85.58 79.64,85.58 79.58,85.59 79.52,85.59 74.36,85.59 74.3,85.59 74.24,85.58 74.18,85.58 74.12,85.57 74.07,85.55 74.01,85.54 73.95,85.52 73.89,85.5 73.84,85.47 73.78,85.45 73.73,85.42 J20.6 J22.6 64.76,85.42 64.71,85.45 64.65,85.47 64.6,85.5 64.54,85.52 64.48,85.54 64.43,85.55 64.37,85.57 64.31,85.58 64.25,85.58 64.19,85.59 64.13,85.59 58.97,85.59 58.91,85.59 58.85,85.58 58.79,85.58 58.73,85.57 58.67,85.55 58.61,85.54 58.55,85.52 58.5,85.5 58.44,85.47 58.39,85.45 58.33,85.42 J24.6 J8.6 49.36,85.42 49.31,85.45 49.26,85.47 49.2,85.5 49.15,85.52 49.09,85.54 49.03,85.55 48.97,85.57 48.91,85.58 48.85,85.58 48.79,85.59 48.73,85.59 43.57,85.59 43.51,85.59 43.45,85.58 43.39,85.58 43.33,85.57 43.27,85.55 43.21,85.54 43.16,85.52 43.1,85.5 43.04,85.47 42.99,85.45 42.94,85.42 J4.6 J5.6 33.97,85.42 33.91,85.45 33.86,85.47 33.8,85.5 33.75,85.52 33.69,85.54 33.63,85.55 33.57,85.57 33.51,85.58 33.45,85.58 33.39,85.59 33.33,85.59 28.17,85.59 28.11,85.59 28.05,85.58 27.99,85.58 27.93,85.57 27.88,85.55 27.82,85.54 27.76,85.52 27.7,85.5 27.65,85.47 27.59,85.45 27.54,85.42 J7.6 J6.6 18.57,85.42 18.52,85.45 18.46,85.47 18.41,85.5 18.35,85.52 18.29,85.54 18.24,85.55 18.18,85.57 18.12,85.58 18.06,85.58 18,85.59 17.94,85.59 12.78,85.59 12.72,85.59 12.66,85.58 12.6,85.58 12.54,85.57 12.48,85.55 12.42,85.54 12.36,85.52 12.31,85.5 12.25,85.47 12.2,85.45 12.14,85.42 J21.6 J2.6
GND7: length 195
  Top w1: J37.8 95.93,80.54 95.87,80.49 95.81,80.44 95.74,80.4 95.67,80.36 95.6,80.33 95.53,80.3 95.46,80.27 95.38,80.24 95.31,80.22 95.23,80.21 95.15,80.19 95.08,80.18 95,80.18 94.92,80.18 89.76,80.18 89.68,80.18 89.61,80.18 89.53,80.19 89.45,80.21 89.37,80.22 89.3,80.24 89.22,80.27 89.15,80.3 89.08,80.33 89.01,80.36 88.94,80.4 88.87,80.44 88.81,80.49 88.75,80.54 J19.8 J23.8 80.54,80.54 80.47,80.49 80.41,80.44 80.34,80.4 80.28,80.36 80.21,80.33 80.13,80.3 80.06,80.27 79.99,80.24 79.91,80.22 79.83,80.21 79.76,80.19 79.68,80.18 79.6,80.18 79.52,80.18 74.36,80.18 74.29,80.18 74.21,80.18 74.13,80.19 74.05,80.21 73.98,80.22 73.9,80.24 73.83,80.27 73.75,80.3 73.68,80.33 73.61,80.36 73.54,80.4 73.48,80.44 73.41,80.49 73.35,80.54 J20.8 J22.8 65.14,80.54 65.08,80.49 65.01,80.44 64.95,80.4 64.88,80.36 64.81,80.33 64.74,80.3 64.66,80.27 64.59,80.24 64.51,80.22 64.44,80.21 64.36,80.19 64.28,80.18 64.21,80.18 64.13,80.18 58.97,80.18 58.89,80.18 58.81,80.18 58.73,80.19 58.66,80.21 58.58,80.22 58.5,80.24 58.43,80.27 58.36,80.3 58.29,80.33 58.22,80.36 58.15,80.4 58.08,80.44 58.02,80.49 57.95,80.54 J24.8 J8.8 49.74,80.54 49.68,80.49 49.62,80.44 49.55,80.4 49.48,80.36 49.41,80.33 49.34,80.3 49.27,80.27 49.19,80.24 49.12,80.22 49.04,80.21 48.96,80.19 48.89,80.18 48.81,80.18 48.73,80.18 43.57,80.18 43.49,80.18 43.42,80.18 43.34,80.19 43.26,80.21 43.18,80.22 43.11,80.24 43.03,80.27 42.96,80.3 42.89,80.33 42.82,80.36 42.75,80.4 42.68,80.44 42.62,80.49 42.56,80.54 J4.8 J5.8 34.35,80.54 34.28,80.49 34.22,80.44 34.15,80.4 34.09,80.36 34.02,80.33 33.94,80.3 33.87,80.27 33.8,80.24 33.72,80.22 33.64,80.21 33.57,80.19 33.49,80.18 33.41,80.18 33.33,80.18 28.17,80.18 28.1,80.18 28.02,80.18 27.94,80.19 27.86,80.21 27.79,80.22 27.71,80.24 27.64,80.27 27.56,80.3 27.49,80.33 27.42,80.36 27.35,80.4 27.29,80.44 27.22,80.49 27.16,80.54 J7.8 J6.8 18.95,80.54 18.89,80.49 18.82,80.44 18.76,80.4 18.69,80.36 18.62,80.33 18.55,80.3 18.47,80.27 18.4,80.24 18.32,80.22 18.25,80.21 18.17,80.19 18.09,80.18 18.02,80.18 17.94,80.18 12.78,80.18 12.7,80.18 12.62,80.18 12.54,80.19 12.47,80.21 12.39,80.22 12.31,80.24 12.24,80.27 12.17,80.3 12.1,80.33 12.03,80.36 11.96,80.4 11.89,80.44 11.83,80.49 11.76,80.54 J21.8 J2.8
  Bottom w0.33: J2.8 J21.8 12.14,82.88 12.2,82.91 12.25,82.93 12.31,82.96 12.36,82.98 12.42,83 12.48,83.01 12.54,83.03 12.6,83.04 12.66,83.04 12.72,83.05 12.78,83.05 17.94,83.05 18,83.05 18.06,83.04 18.12,83.04 18.18,83.03 18.24,83.01 18.29,83 18.35,82.98 18.41,82.96 18.46,82.93 18.52,82.91 18.57,82.88 J6.8 J7.8 27.54,82.88 27.59,82.91 27.65,82.93 27.7,82.96 27.76,82.98 27.82,83 27.88,83.01 27.93,83.03 27.99,83.04 28.05,83.04 28.11,83.05 28.17,83.05 33.33,83.05 33.39,83.05 33.45,83.04 33.51,83.04 33.57,83.03 33.63,83.01 33.69,83 33.75,82.98 33.8,82.96 33.86,82.93 33.91,82.91 33.97,82.88 J5.8 J4.8 42.94,82.88 42.99,82.91 43.04,82.93 43.1,82.96 43.16,82.98 43.21,83 43.27,83.01 43.33,83.03 43.39,83.04 43.45,83.04 43.51,83.05 43.57,83.05 48.73,83.05 48.79,83.05 48.85,83.04 48.91,83.04 48.97,83.03 49.03,83.01 49.09,83 49.15,82.98 49.2,82.96 49.26,82.93 49.31,82.91 49.36,82.88 J8.8 J24.8 58.33,82.88 58.39,82.91 58.44,82.93 58.5,82.96 58.55,82.98 58.61,83 58.67,83.01 58.73,83.03 58.79,83.04 58.85,83.04 58.91,83.05 58.97,83.05 64.13,83.05 64.19,83.05 64.25,83.04 64.31,83.04 64.37,83.03 64.43,83.01 64.48,83 64.54,82.98 64.6,82.96 64.65,82.93 64.71,82.91 64.76,82.88 J22.8 J20.8 73.73,82.88 73.78,82.91 73.84,82.93 73.89,82.96 73.95,82.98 74.01,83 74.07,83.01 74.12,83.03 74.18,83.04 74.24,83.04 74.3,83.05 74.36,83.05 79.52,83.05 79.58,83.05 79.64,83.04 79.7,83.04 79.76,83.03 79.82,83.01 79.88,83 79.94,82.98 79.99,82.96 80.05,82.93 80.1,82.91 80.16,82.88 J23.8 J19.8 89.13,82.88 89.18,82.91 89.23,82.93 89.29,82.96 89.35,82.98 89.4,83 89.46,83.01 89.52,83.03 89.58,83.04 89.64,83.04 89.7,83.05 89.76,83.05 94.92,83.05 94.98,83.05 95.04,83.04 95.1,83.04 95.16,83.03 95.22,83.01 95.28,83 95.34,82.98 95.39,82.96 95.45,82.93 95.5,82.91 95.55,82.88 J37.8
